# KiCad board FPGA-BOARDver3.kicad_pcb (continued)
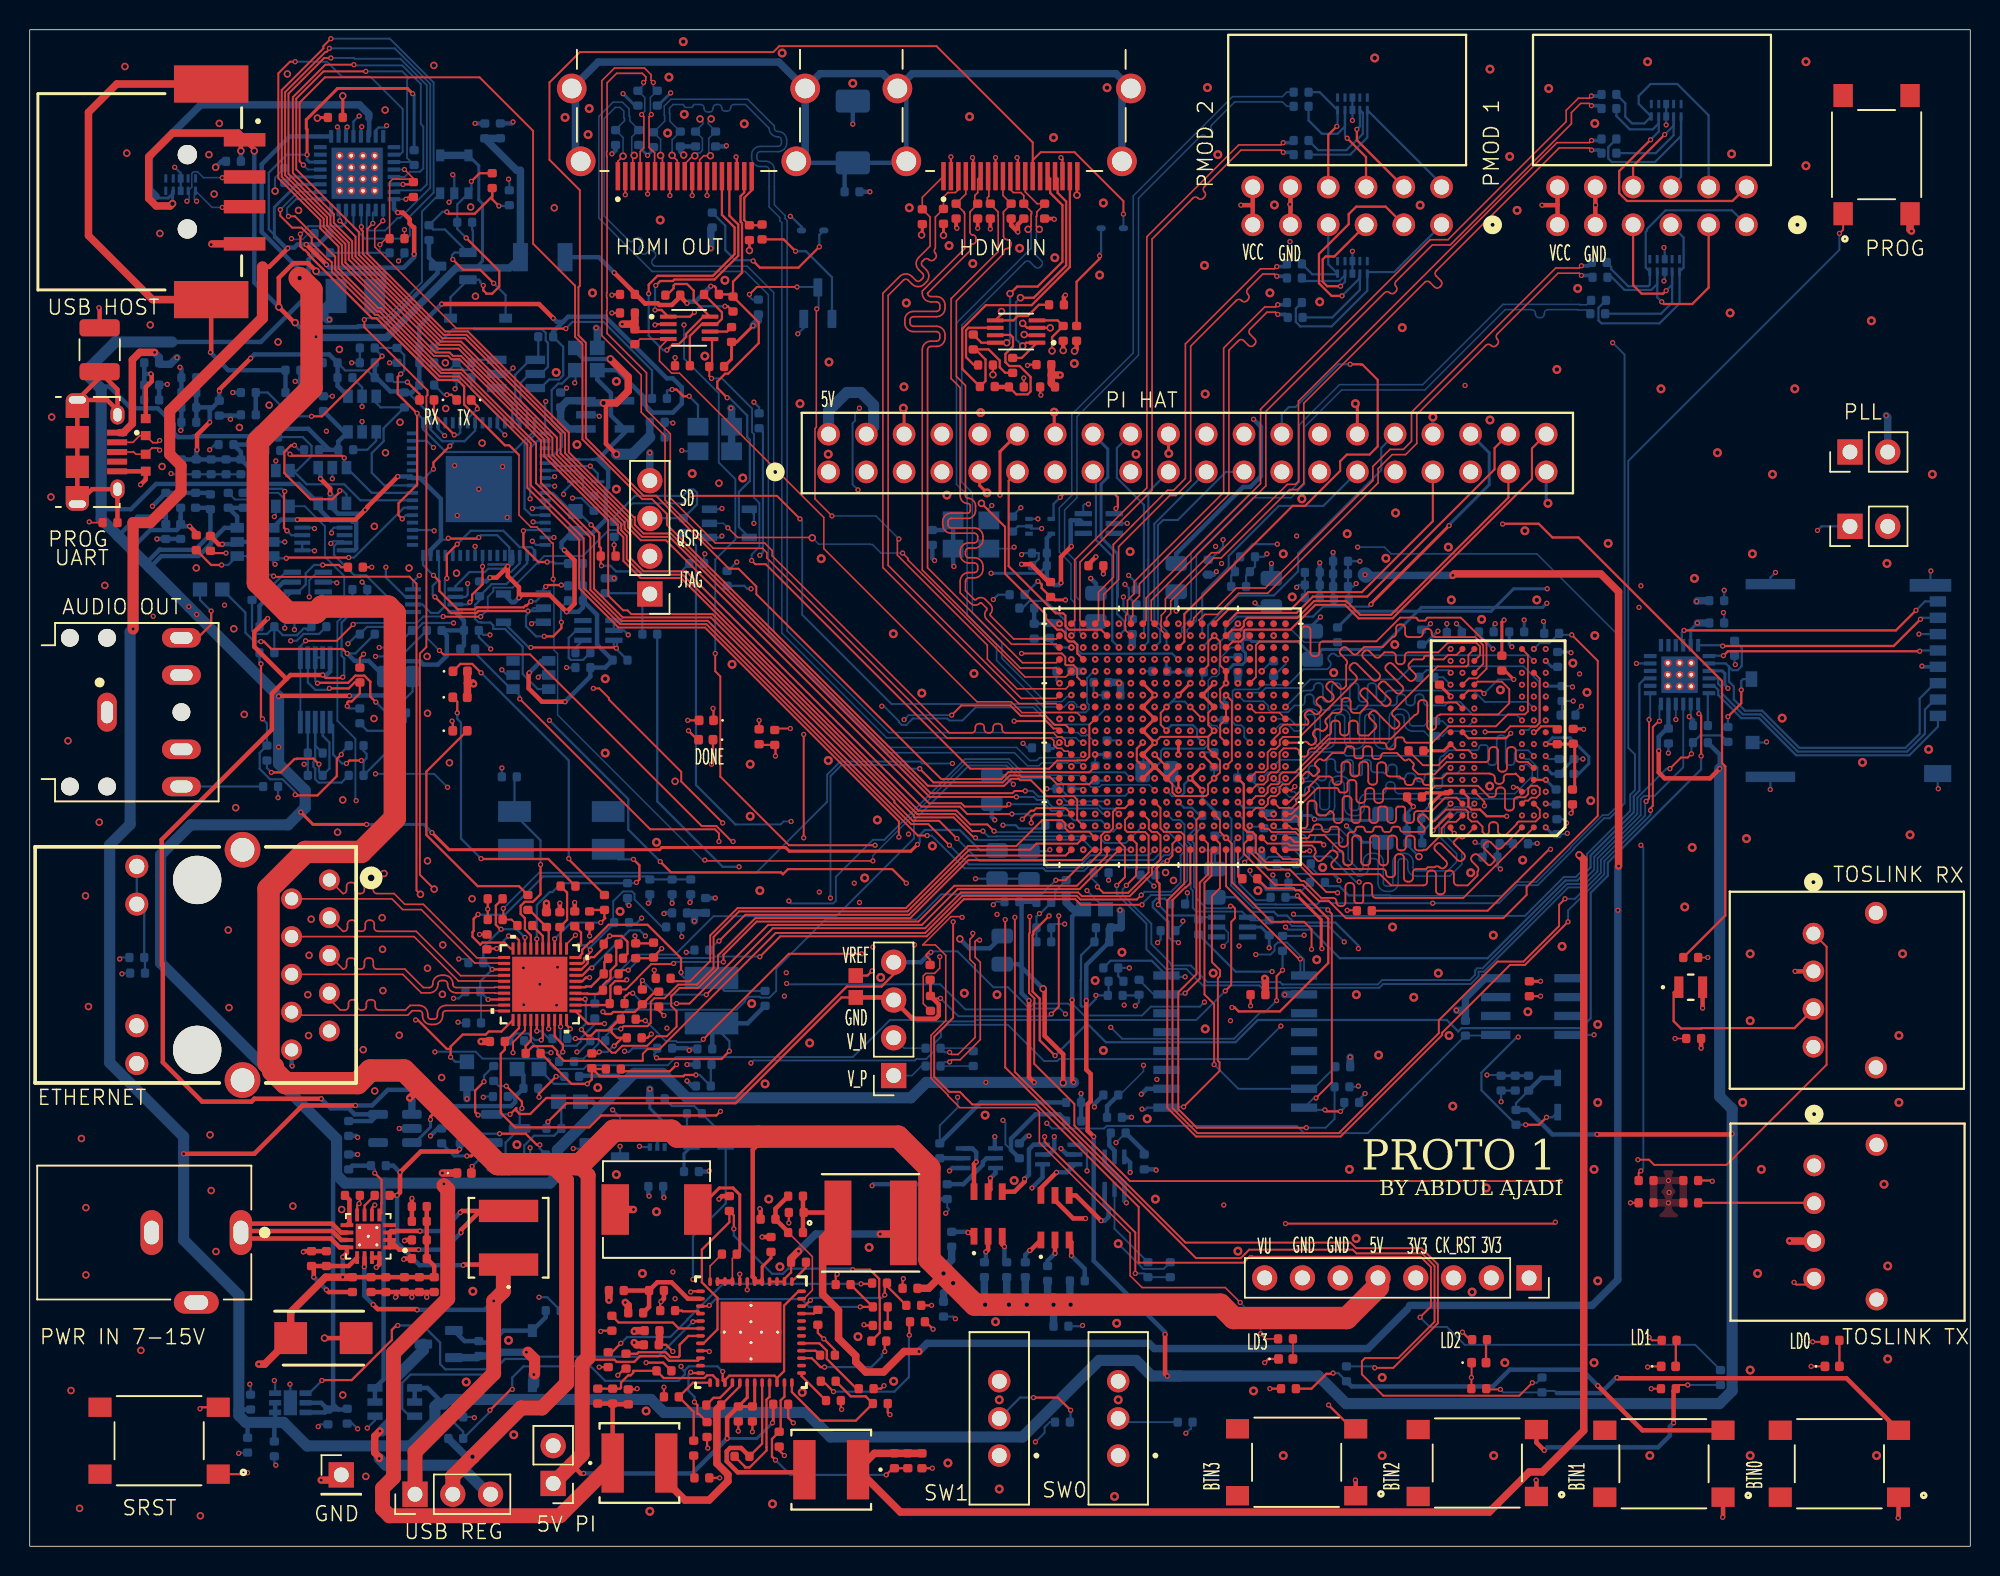
[diagram p0: board, top side]
## Routing (per net, layer and track width the routed paths; a pad name or vN(x,y) marks a point on that pad's centre or on a via; arc(x,y) is an arc through that point) (continued)
DDR3_D1: length 27
  SIGNAL.Cu w0.128: v1(84.45,52.46) 84.62,52.46 84.92,52.77 arc(84.96,52.86) 84.92,52.95 arc(84.89,53.04) 84.92,53.12 85.17,53.37 arc(85.26,53.41) 85.35,53.37 85.51,53.21 arc(85.58,53.18) 85.65,53.21 85.93,53.5 arc(85.96,53.57) 85.93,53.64 arc(85.9,53.71) 85.93,53.78 86.47,54.31 87.12,54.31 arc(87.29,54.38) 87.36,54.55 87.36,54.57 arc(87.43,54.74) 87.6,54.81 87.72,54.81 arc(87.89,54.74) 87.96,54.57 87.96,54.14 arc(88.01,54.02) 88.13,53.96 88.38,53.96 arc(88.51,54.02) 88.56,54.14 88.56,54.57 arc(88.63,54.74) 88.8,54.81 88.92,54.81 arc(89.09,54.74) 89.16,54.57 89.16,54.14 arc(89.21,54.02) 89.33,53.96 89.58,53.96 arc(89.71,54.02) 89.76,54.14 89.76,54.57 arc(89.83,54.74) 90,54.81 90.12,54.81 arc(90.29,54.74) 90.36,54.57 90.36,54.14 arc(90.41,54.02) 90.53,53.96 90.78,53.96 arc(90.91,54.02) 90.96,54.14 90.96,54.57 arc(91.03,54.74) 91.2,54.81 91.32,54.81 arc(91.49,54.74) 91.56,54.57 91.56,53.55 arc(91.63,53.38) 91.8,53.31 91.92,53.31 arc(92.09,53.38) 92.16,53.55 92.16,54.57 arc(92.23,54.74) 92.4,54.81 92.52,54.81 arc(92.69,54.74) 92.76,54.57 92.76,53.55 arc(92.83,53.38) 93,53.31 93.12,53.31 arc(93.29,53.38) 93.36,53.55 93.36,54.07 arc(93.43,54.24) 93.6,54.31 95.57,54.31 arc(95.74,54.38) 95.81,54.55 95.81,54.92 arc(95.88,55.09) 96.05,55.16 96.17,55.16 arc(96.34,55.09) 96.41,54.92 96.41,54.55 arc(96.48,54.38) 96.65,54.31 97.3,54.31 97.85,53.76 97.85,53.05 v1(97.15,52.35)
DDR3_D2: length 28
  Top w0.118: U1.E1 84.69,50.05 85.48,50.84 85.48,51.23 85.63,51.38 arc(85.68,51.5) 85.63,51.63 arc(85.58,51.75) 85.63,51.87 85.8,52.05 arc(85.93,52.1) 86.05,52.05 86.26,51.84 arc(86.35,51.8) 86.44,51.84 86.69,52.08 arc(86.73,52.17) 86.69,52.26 86.48,52.47 arc(86.43,52.6) 86.48,52.72 86.65,52.9 arc(86.78,52.95) 86.9,52.9 arc(87.02,52.85) 87.15,52.9 87.6,53.35 88.25,53.35 arc(88.41,53.42) 88.48,53.57 arc(88.54,53.73) 88.7,53.8 88.85,53.8 arc(89.01,53.73) 89.08,53.57 89.08,53.17 arc(89.13,53.05) 89.25,53 89.5,53 arc(89.62,53.05) 89.67,53.17 89.67,53.57 arc(89.74,53.73) 89.9,53.8 90.05,53.8 arc(90.21,53.73) 90.27,53.57 90.27,53.15 arc(90.33,53.01) 90.48,52.95 90.67,52.95 arc(90.82,53.01) 90.88,53.15 arc(90.93,53.29) 91.08,53.35 91.95,53.35 92.41,52.89 arc(92.52,52.85) 92.62,52.89 arc(92.73,52.93) 92.83,52.89 93.05,52.68 arc(93.09,52.57) 93.05,52.47 arc(93,52.36) 93.05,52.25 93.38,51.92 94.48,51.92 95.3,52.75 97.9,52.75 arc(98.07,52.82) 98.14,52.99 98.14,53.51 arc(98.21,53.68) 98.38,53.75 98.5,53.75 arc(98.67,53.68) 98.74,53.51 98.74,52.34 arc(98.81,52.17) 98.98,52.1 99.1,52.1 arc(99.27,52.17) 99.34,52.34 99.34,53.51 arc(99.41,53.68) 99.58,53.75 99.7,53.75 arc(99.87,53.68) 99.94,53.51 99.94,52.99 arc(100.01,52.82) 100.18,52.75 100.75,52.75 IC1.F2
DDR3_D3: length 24.2
  Bottom w0.118: v1(96.35,52.35) 95.98,51.98 95.24,51.98 arc(95.07,51.91) 95,51.74 95,51.22 arc(94.93,51.05) 94.76,50.98 94.64,50.98 arc(94.47,51.05) 94.4,51.22 94.4,51.74 arc(94.33,51.91) 94.16,51.98 94.04,51.98 arc(93.87,51.91) 93.8,51.74 93.8,51.67 arc(93.73,51.5) 93.56,51.43 93.44,51.43 arc(93.27,51.5) 93.2,51.67 93.2,51.74 arc(93.13,51.91) 92.96,51.98 92.71,51.98 arc(92.59,51.93) 92.53,51.81 arc(92.48,51.68) 92.36,51.63 92.11,51.63 arc(91.99,51.68) 91.93,51.81 91.93,52.34 arc(91.86,52.51) 91.69,52.58 91.57,52.58 arc(91.4,52.51) 91.33,52.34 91.33,52.22 arc(91.26,52.05) 91.09,51.98 91.02,52.05 90.44,52.05 arc(90.27,52.12) 90.2,52.29 90.2,52.66 arc(90.13,52.83) 89.96,52.9 89.84,52.9 arc(89.67,52.83) 89.6,52.66 89.6,51.95 arc(89.57,51.88) 89.5,51.85 89.1,51.85 arc(89.03,51.88) 89,51.95 89,52.66 arc(88.93,52.83) 88.76,52.9 88.64,52.9 arc(88.47,52.83) 88.4,52.66 88.4,52.29 arc(88.33,52.12) 88.16,52.05 88.04,52.05 arc(87.87,52.12) 87.8,52.29 87.8,52.71 arc(87.73,52.88) 87.56,52.95 87.44,52.95 arc(87.27,52.88) 87.2,52.71 87.2,51.74 arc(87.13,51.57) 86.96,51.5 86.84,51.5 arc(86.67,51.57) 86.6,51.74 86.6,52.28 arc(86.53,52.43) 86.38,52.5 86.23,52.5 arc(86.07,52.43) 86,52.28 86,51.85 arc(85.94,51.71) 85.8,51.65 85.6,51.65 arc(85.46,51.71) 85.4,51.85 arc(85.34,51.99) 85.2,52.05 83.25,52.05 v1(82.85,51.65)
DDR3_D4: length 26.3
  SIGNAL2.Cu w0.126: v1(100.35,53.95) 97.1,50.7 91.73,50.7 arc(91.56,50.77) 91.49,50.94 91.49,51.46 arc(91.42,51.63) 91.25,51.7 91.13,51.7 arc(90.96,51.63) 90.89,51.46 90.89,49.94 arc(90.82,49.77) 90.65,49.7 90.53,49.7 arc(90.36,49.77) 90.29,49.94 90.29,51.46 arc(90.22,51.63) 90.05,51.7 89.93,51.7 arc(89.76,51.63) 89.69,51.46 89.69,49.94 arc(89.62,49.77) 89.45,49.7 89.33,49.7 arc(89.16,49.77) 89.09,49.94 89.09,51.06 arc(89.02,51.23) 88.85,51.3 88.73,51.3 arc(88.56,51.23) 88.49,51.06 88.49,50.94 arc(88.42,50.77) 88.25,50.7 87,50.7 v1(84.45,53.25)
DDR3_D5: length 27.5
  SIGNAL.Cu w0.128: v1(96.35,53.95) 95.95,53.55 95.25,53.55 94.55,52.85 91.23,52.85 arc(91.06,52.78) 90.99,52.61 90.99,52.34 arc(90.92,52.17) 90.75,52.1 90.63,52.1 arc(90.46,52.17) 90.39,52.34 90.39,53.61 arc(90.32,53.78) 90.15,53.85 90.03,53.85 arc(89.86,53.78) 89.79,53.61 89.79,52.19 arc(89.72,52.02) 89.55,51.95 89.43,51.95 arc(89.26,52.02) 89.19,52.19 89.19,53.61 arc(89.12,53.78) 88.95,53.85 88.83,53.85 arc(88.66,53.78) 88.59,53.61 88.59,52.19 arc(88.52,52.02) 88.35,51.95 88.23,51.95 arc(88.06,52.02) 87.99,52.19 87.99,53.61 arc(87.92,53.78) 87.75,53.85 87.63,53.85 arc(87.46,53.78) 87.39,53.61 87.39,52.19 arc(87.32,52.02) 87.15,51.95 87.03,51.95 arc(86.86,52.02) 86.79,52.19 86.79,53.61 arc(86.72,53.78) 86.55,53.85 86.43,53.85 arc(86.26,53.78) 86.19,53.61 86.19,53.09 arc(86.12,52.92) 85.95,52.85 85.19,52.09 83.21,52.09 v1(82.85,52.45)
DDR3_D6: length 25.7
  Bottom w0.118: v1(83.65,52.45) 84.09,52.89 85.62,52.89 86.15,53.42 88.27,53.42 88.54,53.16 93.98,53.16 arc(94.14,53.09) 94.22,52.92 94.22,52.4 arc(94.29,52.23) 94.46,52.16 94.58,52.16 arc(94.74,52.23) 94.82,52.4 94.82,52.92 arc(94.89,53.09) 95.06,53.16 95.43,53.54 97.28,53.54 arc(97.41,53.59) 97.46,53.71 arc(97.51,53.84) 97.63,53.89 97.88,53.89 arc(98.01,53.84) 98.06,53.71 98.06,52.78 arc(98.13,52.61) 98.3,52.54 98.42,52.54 arc(98.59,52.61) 98.66,52.78 98.66,54.3 arc(98.73,54.47) 98.9,54.54 99.02,54.54 arc(99.19,54.47) 99.26,54.3 99.26,52.78 arc(99.33,52.61) 99.5,52.54 99.62,52.54 arc(99.79,52.61) 99.86,52.78 99.86,53.3 arc(99.93,53.47) 100.1,53.54 100.76,53.54 v1(101.15,53.15)
DDR3_D7: length 26.5
  SIGNAL2.Cu w0.126: v1(82.85,53.25) 83.25,53.65 84.02,53.65 84.21,53.84 84.69,53.84 84.98,53.56 arc(85.15,53.49) 85.32,53.56 85.68,53.93 arc(85.85,54) 86.02,53.93 86.11,53.84 arc(86.18,53.67) 86.11,53.5 85.74,53.13 arc(85.67,52.96) 85.74,52.79 86.13,52.4 86.78,52.4 arc(86.95,52.47) 87.02,52.64 87.02,53.16 arc(87.09,53.33) 87.26,53.4 87.38,53.4 arc(87.55,53.33) 87.62,53.16 87.62,51.74 arc(87.69,51.57) 87.86,51.5 87.98,51.5 arc(88.15,51.57) 88.22,51.74 88.22,53.16 arc(88.29,53.33) 88.46,53.4 88.58,53.4 arc(88.75,53.33) 88.82,53.16 88.82,51.74 arc(88.89,51.57) 89.06,51.5 89.18,51.5 arc(89.35,51.57) 89.42,51.74 89.42,53.16 arc(89.49,53.33) 89.66,53.4 89.78,53.4 arc(89.95,53.33) 90.02,53.16 90.02,52.3 arc(90.05,52.23) 90.12,52.2 90.52,52.2 arc(90.59,52.23) 90.62,52.3 arc(90.65,52.37) 90.72,52.4 92.2,52.4 92.25,52.35 92.65,52.75 96.46,52.75 96.75,53.04 96.75,53.35 97.15,53.75 v1(97.15,53.95)
DDR3_D8: length 26.6
  Top w0.118: v1(97.83,49.8) 97.83,50.07 IC1.D7
  SIGNAL.Cu w0.128: v1(82.85,50.05) 84.14,50.05 arc(84.31,50.12) 84.38,50.29 84.38,50.56 arc(84.45,50.73) 84.62,50.8 84.74,50.8 arc(84.91,50.73) 84.98,50.56 84.98,50.29 arc(85.05,50.12) 85.22,50.05 85.76,50.05 86.59,49.22 arc(86.76,49.3) 86.83,49.46 86.83,49.53 arc(86.9,49.7) 87.07,49.77 87.19,49.77 arc(87.36,49.7) 87.43,49.53 87.43,48.46 arc(87.5,48.3) 87.67,48.22 87.79,48.22 arc(87.96,48.3) 88.03,48.46 88.03,49.53 arc(88.1,49.7) 88.27,49.77 88.39,49.77 arc(88.56,49.7) 88.63,49.53 88.63,48.96 arc(88.7,48.8) 88.87,48.72 88.99,48.72 arc(89.16,48.8) 89.23,48.96 89.23,49.53 arc(89.3,49.7) 89.47,49.77 89.59,49.77 arc(89.76,49.7) 89.83,49.53 89.83,48.46 arc(89.9,48.3) 90.07,48.22 90.19,48.22 arc(90.36,48.3) 90.43,48.46 90.43,49.53 arc(90.5,49.7) 90.67,49.77 90.79,49.77 arc(90.96,49.7) 91.03,49.53 91.03,49.46 arc(91.1,49.3) 91.27,49.22 93.78,49.22 arc(93.95,49.15) 94.02,48.98 94.02,48.77 arc(94.09,48.6) 94.26,48.52 94.38,48.52 arc(94.55,48.6) 94.62,48.77 94.62,48.98 arc(94.69,49.15) 94.86,49.22 95.11,49.22 95.44,49.55 97.6,49.55 97.83,49.77 v1(97.83,49.8)
DDR3_D9: length 27.8
  Top w0.118: IC1.C3 100.55,50.15 100.77,50.15 100.98,50.35 101.33,50.35 101.55,50.57 101.55,50.97 101.38,51.15 100.95,51.15 100.77,50.97 100.77,50.59 100.56,50.38 100.06,50.38 100.05,50.39 arc(99.88,50.32) 99.81,50.15 99.81,49.73 arc(99.74,49.56) 99.57,49.49 99.45,49.49 arc(99.28,49.56) 99.21,49.73 99.21,50.8 arc(99.14,50.97) 98.97,51.04 98.85,51.04 arc(98.68,50.97) 98.61,50.8 98.61,50.63 arc(98.54,50.46) 98.37,50.39 98.16,50.39 97.4,51.15 94.51,51.15 94.33,50.97 91.29,50.97 91.26,51 arc(91.09,50.93) 91.02,50.76 91.02,50.24 arc(90.95,50.07) 90.78,50 90.66,50 arc(90.49,50.07) 90.42,50.24 90.42,50.76 arc(90.35,50.93) 90.18,51 90.06,51 arc(89.89,50.93) 89.82,50.76 89.82,50.24 arc(89.75,50.07) 89.58,50 89.46,50 arc(89.29,50.07) 89.22,50.24 89.22,51.31 arc(89.15,51.48) 88.98,51.55 88.86,51.55 arc(88.69,51.48) 88.62,51.31 88.62,50.85 arc(88.57,50.74) 88.47,50.7 88.17,50.7 arc(88.06,50.74) 88.02,50.85 arc(87.97,50.96) 87.87,51 86.6,51 84.85,49.25 U1.D1
DDR3_D10: length 27.5
  Top w0.118: IC1.C8 95.95,50.35 95.19,50.35 94.29,49.45 93.33,49.45 arc(93.16,49.38) 93.09,49.21 93.09,48.89 arc(93.02,48.72) 92.85,48.65 92.73,48.65 arc(92.56,48.72) 92.49,48.89 92.49,49.6 arc(92.45,49.71) 92.34,49.75 92.04,49.75 arc(91.93,49.71) 91.89,49.6 91.89,48.89 arc(91.82,48.72) 91.65,48.65 91.53,48.65 arc(91.36,48.72) 91.29,48.89 91.29,49.6 arc(91.25,49.71) 91.14,49.75 90.84,49.75 arc(90.73,49.71) 90.69,49.6 90.69,48.89 arc(90.62,48.72) 90.45,48.65 90.33,48.65 arc(90.16,48.72) 90.09,48.89 90.09,49.6 arc(90.05,49.71) 89.94,49.75 89.64,49.75 arc(89.53,49.71) 89.49,49.6 89.49,48.89 arc(89.42,48.72) 89.25,48.65 89.13,48.65 arc(88.96,48.72) 88.89,48.89 88.89,50.21 arc(88.82,50.38) 88.65,50.45 88.53,50.45 arc(88.36,50.38) 88.29,50.21 88.29,48.89 arc(88.22,48.72) 88.05,48.65 87.93,48.65 arc(87.76,48.72) 87.69,48.89 87.69,49.21 arc(87.62,49.38) 87.45,49.45 87.15,49.15 86.77,49.15 arc(86.6,49.22) 86.53,49.39 86.53,49.91 arc(86.46,50.08) 86.29,50.15 86.17,50.15 arc(86,50.08) 85.93,49.91 85.93,48.54 arc(85.86,48.37) 85.69,48.3 85.57,48.3 arc(85.4,48.37) 85.33,48.54 85.33,48.91 arc(85.26,49.08) 85.09,49.15 84.8,48.86 84.29,48.86 84.28,48.88 84.26,48.86 83.24,48.86 U1.D3
DDR3_D11: length 27.4
  Top w0.118: IC1.C2 101.55,49.55 101.55,49.02 101.27,48.75 100.15,48.75 100.12,48.71 100.09,48.71 100,48.62 100,48.57 99.27,47.85 98.98,47.85 arc(98.81,47.92) 98.74,48.09 98.74,48.46 arc(98.67,48.63) 98.5,48.7 98.38,48.7 arc(98.21,48.63) 98.14,48.46 98.14,48.09 arc(98.07,47.92) 97.9,47.85 97.7,48.05 97.7,48.4 97.35,48.75 96.95,48.75 96.73,48.97 96.73,49.4 96.58,49.55 95.25,49.55 94.51,48.81 arc(94.34,48.74) 94.17,48.81 93.84,49.15 arc(93.67,49.22) 93.5,49.15 93.42,49.06 arc(93.35,48.89) 93.42,48.72 93.75,48.39 arc(93.82,48.22) 93.75,48.05 92.34,48.05 arc(92.22,48.1) 92.17,48.22 arc(92.12,48.35) 91.99,48.4 91.74,48.4 arc(91.62,48.35) 91.57,48.22 arc(91.52,48.1) 91.39,48.05 91.14,48.05 arc(91.02,48.1) 90.97,48.22 arc(90.92,48.35) 90.79,48.4 90.54,48.4 arc(90.42,48.35) 90.37,48.22 arc(90.32,48.1) 90.19,48.05 89.94,48.05 arc(89.82,48.1) 89.77,48.22 arc(89.72,48.35) 89.59,48.4 89.34,48.4 arc(89.22,48.35) 89.17,48.22 arc(89.12,48.1) 88.99,48.05 88.87,48.05 arc(88.7,47.98) 88.63,47.81 88.63,47.29 arc(88.56,47.12) 88.39,47.05 88.27,47.05 arc(88.1,47.12) 88.03,47.29 88.03,48.22 arc(87.98,48.35) 87.86,48.4 87.61,48.4 arc(87.48,48.35) 87.43,48.22 arc(87.38,48.1) 87.26,48.05 87.14,48.05 arc(86.97,48.12) 86.9,48.29 86.9,48.31 arc(86.83,48.48) 86.66,48.55 86.54,48.55 arc(86.37,48.48) 86.3,48.31 86.3,48.29 arc(86.23,48.12) 86.06,48.05 85.41,48.05 85.2,48.26 84.89,48.26 84.7,48.45 U1.C1
DDR3_D12: length 27.1
  Top w0.118: U1.B3 83.24,47.26 84.63,47.26 84.76,47.13 86.22,47.13 86.43,46.92 86.43,46.84 arc(86.49,46.7) 86.43,46.56 arc(86.38,46.42) 86.43,46.28 86.58,46.13 arc(86.72,46.08) 86.86,46.13 87.47,46.74 arc(87.64,46.81) 87.81,46.74 87.89,46.66 arc(87.96,46.49) 87.89,46.32 87.59,46.02 arc(87.52,45.85) 87.59,45.68 87.73,45.55 90.98,45.55 arc(91.14,45.48) 91.21,45.31 91.21,45.24 arc(91.29,45.07) 91.45,45 91.58,45 arc(91.74,45.07) 91.82,45.24 91.82,46.31 arc(91.89,46.48) 92.05,46.55 92.17,46.55 arc(92.34,46.48) 92.42,46.31 92.42,44.94 arc(92.49,44.77) 92.66,44.7 92.77,44.7 arc(92.94,44.77) 93.02,44.94 93.02,45.31 arc(93.09,45.48) 93.26,45.55 93.9,45.55 94.02,45.67 94.47,45.67 arc(94.64,45.74) 94.81,45.67 94.82,45.66 arc(94.99,45.59) 95.16,45.66 95.25,45.74 arc(95.32,45.91) 95.25,46.08 94.53,46.8 arc(94.46,46.97) 94.53,47.14 94.61,47.23 arc(94.78,47.3) 94.95,47.23 96.03,46.15 arc(96.19,46.08) 96.36,46.15 96.45,46.24 arc(96.52,46.41) 96.45,46.57 95.81,47.22 arc(95.76,47.32) 95.81,47.43 96.02,47.64 arc(96.12,47.69) 96.23,47.64 arc(96.34,47.6) 96.44,47.64 IC1.A7
DDR3_D13: length 27.3
  Top w0.118: U1.A4 82.05,46.73 83.27,45.51 84.75,45.51 85.51,44.75 85.7,44.75 86.84,43.61 87.64,43.61 arc(87.81,43.54) 87.88,43.37 87.88,43.3 arc(87.95,43.13) 88.12,43.06 88.24,43.06 arc(88.41,43.13) 88.48,43.3 88.48,44.37 arc(88.55,44.54) 88.72,44.61 88.84,44.61 arc(89.01,44.54) 89.08,44.37 89.08,43.43 arc(89.13,43.31) 89.25,43.26 89.5,43.26 arc(89.63,43.31) 89.68,43.43 89.68,44.37 arc(89.75,44.54) 89.92,44.61 90.04,44.61 arc(90.21,44.54) 90.28,44.37 90.28,43.85 arc(90.35,43.68) 90.52,43.61 96.41,43.61 IC1.A2
DDR3_D14: length 27.8
  Top w0.118: IC1.B8 95.92,48.72 95.38,48.72 94.95,48.29 94.95,47.87 94.85,47.78 93.92,46.85 93.73,46.85 93.67,46.8 93.38,46.8 arc(93.21,46.87) 93.14,47.04 93.14,47.56 arc(93.07,47.73) 92.9,47.8 92.78,47.8 arc(92.61,47.73) 92.54,47.56 92.54,47.04 arc(92.47,46.87) 92.3,46.8 92.18,46.8 arc(92.01,46.87) 91.94,47.04 91.94,47.56 arc(91.87,47.73) 91.7,47.8 91.58,47.8 arc(91.41,47.73) 91.34,47.56 91.34,46.04 arc(91.27,45.87) 91.1,45.8 90.98,45.8 arc(90.81,45.87) 90.74,46.04 90.74,47.56 arc(90.67,47.73) 90.5,47.8 90.38,47.8 arc(90.21,47.73) 90.14,47.56 90.14,46.04 arc(90.07,45.87) 89.9,45.8 89.78,45.8 arc(89.61,45.87) 89.54,46.04 89.54,47.56 arc(89.47,47.73) 89.3,47.8 89.18,47.8 arc(89.01,47.73) 88.94,47.56 88.94,46.04 arc(88.87,45.87) 88.7,45.8 88.58,45.8 arc(88.41,45.87) 88.34,46.04 88.34,46.56 arc(88.27,46.73) 88.1,46.8 87.08,47.82 86.13,47.82 arc(86.05,47.8) 86.02,47.72 arc(86,47.65) 85.92,47.62 85.52,47.62 arc(85.45,47.65) 85.42,47.72 arc(85.4,47.8) 85.33,47.82 85.11,48.04 83.51,48.04 83.3,48.25 83.05,48.25 U1.C3
DDR3_D15: length 27.7
  Top w0.118: U1.A2 84.28,46.22 85.29,46.22 86.31,45.2 90.8,45.2 91.55,44.45 93.73,44.45 arc(93.9,44.52) 93.97,44.69 93.97,45.21 arc(94.04,45.38) 94.21,45.45 94.33,45.45 arc(94.5,45.38) 94.57,45.21 94.57,44.09 arc(94.64,43.92) 94.81,43.85 94.93,43.85 arc(95.1,43.92) 95.17,44.09 95.17,45.21 arc(95.24,45.38) 95.41,45.45 95.53,45.45 arc(95.7,45.38) 95.77,45.21 95.77,44.69 arc(95.84,44.52) 96.01,44.45 96.7,44.45 97.36,45.11 97.36,45.36 arc(97.43,45.53) 97.36,45.7 96.99,46.07 arc(96.92,46.24) 96.99,46.41 97.08,46.49 arc(97.25,46.56) 97.42,46.49 98.06,45.85 arc(98.17,45.8) 98.27,45.85 98.48,46.06 arc(98.53,46.17) 98.48,46.27 97.84,46.91 arc(97.77,47.08) 97.84,47.25 97.92,47.34 arc(98.09,47.41) 98.26,47.34 98.63,46.97 arc(98.8,46.9) 98.97,46.97 IC1.A3
DDR3_DM0: length 28.3
  Top w0.118: v1(85.08,51.1) 84.83,50.85 U1.F1
  SIGNAL.Cu w0.118: 85.24,50.94 v1(85.08,51.1)
  SIGNAL.Cu w0.128: v1(97.15,51.55) 96.52,50.92 95.6,50.92 arc(95.43,50.85) 95.36,50.68 95.36,50.41 arc(95.29,50.24) 95.12,50.17 95,50.17 arc(94.83,50.24) 94.76,50.41 94.76,50.68 arc(94.69,50.85) 94.52,50.92 94.4,50.92 arc(94.23,50.85) 94.16,50.68 94.16,50.46 arc(94.09,50.29) 93.92,50.22 93.8,50.22 arc(93.63,50.29) 93.56,50.46 93.56,50.68 arc(93.49,50.85) 93.32,50.92 92.7,50.92 92.49,50.7 92.07,50.7 arc(91.9,50.63) 91.83,50.46 91.83,50.19 arc(91.76,50.02) 91.59,49.95 91.47,49.95 arc(91.3,50.02) 91.23,50.19 91.23,51.21 arc(91.16,51.38) 90.99,51.45 90.87,51.45 arc(90.7,51.38) 90.63,51.21 90.63,50.19 arc(90.56,50.02) 90.39,49.95 90.27,49.95 arc(90.1,50.02) 90.03,50.19 90.03,51.21 arc(89.96,51.38) 89.79,51.45 89.67,51.45 arc(89.5,51.38) 89.43,51.21 89.43,50.19 arc(89.36,50.02) 89.19,49.95 89.07,49.95 arc(88.9,50.02) 88.83,50.19 88.83,51.21 arc(88.76,51.38) 88.59,51.45 88.47,51.45 arc(88.3,51.38) 88.23,51.21 88.23,50.19 arc(88.16,50.02) 87.99,49.95 87.87,49.95 arc(87.7,50.02) 87.63,50.19 87.63,51.21 arc(87.56,51.38) 87.39,51.45 87.27,51.45 arc(87.1,51.38) 87.03,51.21 87.03,50.19 arc(86.96,50.02) 86.79,49.95 86.67,49.95 arc(86.5,50.02) 86.43,50.19 86.43,51.21 arc(86.36,51.38) 86.19,51.45 86.07,51.45 arc(85.9,51.38) 85.83,51.21 85.83,50.94 arc(85.76,50.77) 85.59,50.7 85.48,50.7 85.15,51.02 85.15,51.05
DDR3_DM1: length 26.4
  Top w0.118: v1(86.08,46.77) 85.83,46.77 85.75,46.7 85.6,46.7 85.45,46.85 U1.A1
  Top w0.128: v1(99.77,51.05) 100.05,51.05 IC1.D3
  SIGNAL.Cu w0.128: v1(99.77,51.05) 99.2,51.05 98.8,50.65 98.8,50.11 95.49,46.8 90.22,46.8 arc(90.05,46.73) 89.98,46.56 89.98,46.04 arc(89.91,45.87) 89.74,45.8 89.62,45.8 arc(89.45,45.87) 89.38,46.04 89.38,47.56 arc(89.31,47.73) 89.14,47.8 89.02,47.8 arc(88.85,47.73) 88.78,47.56 88.78,46.04 arc(88.71,45.87) 88.54,45.8 88.42,45.8 arc(88.25,45.87) 88.18,46.04 88.18,47.56 arc(88.11,47.73) 87.94,47.8 87.82,47.8 arc(87.65,47.73) 87.58,47.56 87.58,46.34 arc(87.51,46.17) 87.34,46.1 87.22,46.1 arc(87.05,46.17) 86.98,46.34 86.98,46.56 arc(86.91,46.73) 86.74,46.8 86.61,46.8 86.58,46.77 v1(86.08,46.77)
DDR3_DQS0_N: length 27.6
  Bottom w0.104: v1(100.35,53.18) 100.59,52.94 100.85,52.94 101.4,52.39 101.4,51.65 100.02,50.27 97.34,50.27 97.31,50.3 95.4,50.3 95.37,50.27 90.87,50.27 89.98,50.27 arc(89.82,50.2) 89.76,50.04 89.76,49.72 arc(89.59,49.31) 89.18,49.14 88.98,49.14 arc(88.57,49.31) 88.4,49.72 88.4,51.22 arc(88.34,51.38) 88.18,51.44 87.98,51.44 arc(87.82,51.38) 87.76,51.22 87.76,49.77 arc(87.59,49.36) 87.18,49.19 86.98,49.19 arc(86.57,49.36) 86.4,49.77 86.4,50.87 arc(86.34,51.03) 86.18,51.09 85.98,51.09 arc(85.82,51.03) 85.76,50.87 85.76,50.84 arc(85.59,50.44) 85.18,50.27 85.03,50.27 84.91,50.39 84.71,50.39 84.04,51.06 83.88,51.06 v1(83.66,50.84)
DDR3_DQS0_P: length 27.6
  Bottom w0.104: v1(100.35,52.34) 100.59,52.59 100.7,52.59 101.05,52.24 101.05,51.8 99.87,50.62 92.05,50.62 arc(91.88,50.69) 91.81,50.86 91.81,51.17 arc(91.74,51.34) 91.57,51.41 91.45,51.41 arc(91.28,51.34) 91.21,51.17 91.21,50.86 arc(91.14,50.69) 90.97,50.62 89.98,50.62 arc(89.57,50.45) 89.4,50.04 89.4,49.72 arc(89.34,49.56) 89.18,49.49 88.98,49.49 arc(88.82,49.56) 88.76,49.72 88.76,51.22 arc(88.59,51.63) 88.18,51.8 87.98,51.8 arc(87.57,51.63) 87.4,51.22 87.4,49.77 arc(87.34,49.61) 87.18,49.54 86.98,49.54 arc(86.82,49.61) 86.76,49.77 86.76,50.87 arc(86.59,51.28) 86.18,51.45 85.98,51.45 arc(85.57,51.28) 85.4,50.87 85.4,50.84 arc(85.34,50.69) 85.18,50.62 85.05,50.75 84.85,50.75 84.18,51.42 83.88,51.42 v1(83.65,51.64)
DDR3_DQS1_N: length 27.7
  Bottom w0.104: v1(83.65,47.64) 83.91,47.9 85.55,47.9 85.58,47.87 arc(85.75,47.8) 85.82,47.63 85.82,47.62 arc(85.89,47.45) 86.06,47.38 86.18,47.38 arc(86.35,47.45) 86.42,47.62 86.42,47.63 arc(86.49,47.8) 86.66,47.87 87.98,47.87 88.31,47.54 arc(88.24,47.37) 88.07,47.3 87.86,47.3 arc(87.69,47.23) 87.62,47.06 87.62,46.94 arc(87.69,46.77) 87.86,46.7 88.07,46.7 arc(88.24,46.63) 88.31,46.46 88.31,46.07 89.3,45.07 89.45,45.07 arc(89.86,45.24) 90.03,45.65 90.03,46.03 arc(90.09,46.18) 90.25,46.25 90.45,46.25 arc(90.61,46.18) 90.67,46.03 90.67,44.62 arc(90.84,44.21) 91.25,44.05 91.45,44.05 arc(91.86,44.21) 92.03,44.62 92.03,46.03 arc(92.09,46.18) 92.25,46.25 92.45,46.25 arc(92.61,46.18) 92.67,46.03 92.67,45.65 arc(92.84,45.24) 93.25,45.07 95.5,45.07 96.31,45.88 96.31,46.73 95.13,47.9 95.13,48.53 95.98,49.38 96.27,49.38 96.94,49.38 v1(97.16,49.15)
DDR3_DQS1_P: length 26.1
  Bottom w0.104: v1(97.16,49.95) 96.94,49.73 96.41,49.73 95.83,49.73 94.78,48.68 94.78,47.76 95.96,46.58 95.96,46.03 95.35,45.43 93.25,45.43 arc(93.09,45.49) 93.03,45.65 93.03,46.03 arc(92.86,46.44) 92.45,46.6 92.25,46.6 arc(91.84,46.44) 91.67,46.03 91.67,44.62 arc(91.61,44.47) 91.45,44.4 91.25,44.4 arc(91.09,44.47) 91.03,44.62 91.03,46.03 arc(90.86,46.44) 90.45,46.6 90.25,46.6 arc(89.84,46.44) 89.67,46.03 89.67,45.65 arc(89.61,45.49) 89.45,45.43 88.66,46.21 88.66,47.69 88.13,48.22 85.73,48.22 85.7,48.26 84.1,48.26 84.07,48.22 83.88,48.22 v1(83.65,48.45)
DDR3_ODT0: length 26.7
  SIGNAL2.Cu w0.126: v1(101.95,55.55) 101.61,55.89 101.61,57.21 101.26,57.55 99.6,57.55 98.84,58.31 95.48,58.31 94.54,59.25 90.52,59.25 arc(90.38,59.31) 90.32,59.45 arc(90.26,59.59) 90.12,59.65 89.92,59.65 arc(89.78,59.59) 89.72,59.45 89.72,58.49 arc(89.65,58.32) 89.48,58.25 89.36,58.25 arc(89.19,58.32) 89.12,58.49 89.12,59.01 arc(89.05,59.18) 88.88,59.25 87.53,59.25 86.75,58.47 82.76,58.47 81.69,57.4 81.69,56.89 v1(81.25,56.45)
DDR3_RAS: length 24.9
  Bottom w0.118: v1(100.35,54.75) 100.5,54.9 100.79,54.9 101,55.11 101.25,55.11 101.51,55.37 101.51,58.13 100.45,59.19 100.45,59.19 92.94,59.19 92.05,58.3 86.11,58.3 85.54,57.73 83.12,57.73 82.8,57.41 82.21,57.41 v1(82.05,57.25)
DDR3_RESET: length 45.9
  Top w0.127: v1(103.7,61.3) 105.45,59.55 105.45,49.12 100.66,44.34 100.66,43.81 99.11,42.25 88.51,42.25 87.37,43.39 86.71,43.39 85.61,44.49 83.75,44.49 81.66,46.58 81.66,47.26 U1.B4
  Bottom w0.127: v1(101.15,60.35) 101.53,60.73 102.18,60.73 R96.1 102.95,61.3 v1(103.7,61.3)
DDR3_VREF: length 83.1
  Top w0.127: v1(97.8,57.35) 97.6,57.55 96.75,57.55 IC1.M8 ; v1(80.45,52.45) 80.84,52.84 80.84,56.86 U1.P6
  Top w0.15: v1(101.95,53.95) C5.1
  Top w0.2: C35.1 99.2,58.9 v1(99.8,58.3) ; C5.1 103.83,53.95 103.9,53.88 103.9,51.05 R20.1
  SIGNAL.Cu w0.127: v1(80.45,57.22) 80.89,57.66 83.85,57.66 88.62,62.43 96.22,62.43 97.67,60.98 103.29,60.98 104.61,59.65 104.61,59.06 v1(104.23,58.67)
  SIGNAL2.Cu w0.127: v1(99.8,58.3) 99.81,58.31
  SIGNAL2.Cu w0.15: v1(80.45,52.45) 80.08,52.82 80.08,53.42 80.27,53.62 82.26,53.62 82.48,53.41 82.48,52.29 82.69,52.07 85.29,52.07 88.19,49.17 95.86,49.17 97.01,50.33 97.32,50.33 97.44,50.2 99.77,50.2 101.57,51.99 101.57,53.57 v1(101.95,53.95) ; v1(99.8,58.3) 99.83,58.32 103.83,58.32 103.84,58.31 103.86,58.31 v1(104.23,58.67)
  Bottom w0.127: v1(97.8,57.35) 98.75,58.3 v1(99.8,58.3)
  Bottom w0.2: v1(101.95,53.95) 101.98,53.95 102.4,54.38 103.59,54.38 104.85,53.12 104.85,52.64 104.16,51.95 R17.2 ; v1(80.45,57.22) 80.33,57.1 C4.1
DDR3_WE: length 26.4
  SIGNAL2.Cu w0.126: v1(81.25,55.65) 81.68,56.08 84.57,56.08 84.74,56.15 85.01,56.42 87.16,56.42 arc(87.33,56.5) 87.4,56.66 87.4,57.03 arc(87.47,57.2) 87.64,57.27 87.76,57.27 arc(87.93,57.2) 88,57.03 88,55.71 arc(88.07,55.55) 88.24,55.47 88.36,55.47 arc(88.53,55.55) 88.6,55.71 88.6,56.73 arc(88.67,56.9) 88.84,56.97 88.96,56.97 arc(89.13,56.9) 89.2,56.73 89.2,55.71 arc(89.27,55.55) 89.44,55.47 89.56,55.47 arc(89.73,55.55) 89.8,55.71 89.8,56.18 arc(89.87,56.35) 90.04,56.42 91.25,56.42 91.27,56.4 94.2,56.4 94.2,56.39 95.41,55.17 95.69,55.17 95.98,55.46 95.98,55.69 97,56.71 99.99,56.71 v1(100.35,56.35)
EN_1: length 41
  Top w0.15: U22.13 44.5,17.15 v1(44.45,17.1) ; 50.25,11.3 50.73,11.78 50.73,16.18 51.69,17.15 U22.48 ; 50.25,11.3 50.08,11.47 47.05,11.47 46.75,11.18 U22.27 46.6,11.15 v1(46.6,11.75) ; 50.25,11.3 U22.34 ; v1(30.95,9.15) 32.35,10.55 v1(32.45,10.55)
  SIGNAL2.Cu w0.127: v1(43.8,12.1) 43.8,16.45 v1(44.45,17.1)
  Bottom w0.15: v1(30.95,9.15) 30.95,9.05 R85.2 29.15,7.7 R86.1 ; v1(46.6,11.75) 46.25,12.1 44.32,12.1 44.05,11.83 44.05,11.75 ; v1(43.8,12.1) 43.8,12 44.05,11.75 ; v1(32.45,10.55) 32.45,11.35 33.2,12.1 37.72,12.1 38.69,11.12 43.62,11.12 44.05,11.55 44.05,11.75
ETH_AVDD3V3: length 44.4
  Top w0.15: v1(28.3,32.9) 28.3,33.45 ; 28.3,33.45 28.3,33.6 29.12,34.41 30.67,34.41 30.88,34.62 31.73,34.62 U12.11 ; 28.3,33.45 28.05,33.45 26.1,35.4 v1(25.95,35.4) ; v1(30.15,42.5) 29.85,42.2 29.85,41.38 29.78,41.31 29.78,40.99 30.31,40.46 30.45,40.6 31.93,40.6 32.33,40.2 U12.40
  SIGNAL.Cu w0.15: v1(30.15,42.5) 28.03,44.62 26.45,44.62 25.85,44.03 25.85,35.5 v1(25.95,35.4)
  Bottom w0.15: v1(30.15,42.5) 30.17,42.47 31.96,42.47 34.54,45.05 41.5,45.05 C71.1 C70.1 C69.1 ; v1(28.3,32.9) 28.62,32.58 FL3.2
ETH_INT_B: length 47.9
  Top w0.1: U12.31 36.1,40.5 v1(36.7,41.1)
  SIGNAL.Cu w0.1: v1(78.05,50.05) 77.7,49.7 77.14,49.7 76.79,49.35 76.79,49.13 76.46,48.8 76.31,48.8 74.41,46.9 74.41,46.71 74.2,46.51 73.51,46.51 72.1,45.1 72.1,44.54 72.15,44.49 72.15,43.75 72.09,43.75 69.84,41.5 65.76,41.5 65.36,41.9 62.45,41.9 62.45,41.86 62.24,41.65 61.96,41.65 61.71,41.9 45.04,41.9 44.74,41.6 37.2,41.6 v1(36.7,41.1)
ETH_LD0: length 18.8
  Top w0.15: D32.1 28.75,56.8 v1(28.75,56.05) ; v1(30.35,46.25) 30.38,46.22 34.88,46.22 R173.2
  Bottom w0.15: v1(30.35,46.25) 29,47.6 29,55.4 28.75,55.65 v1(28.75,56.05)
ETH_LD1: length 16.6
  Top w0.15: D28.2 26.67,52.1 26.67,47.84 30.12,44.4 32.9,44.4 R174.2
ETH_LD2: length 20.7
  Top w0.15: D33.1 28.96,59.34 29.76,59.34 v1(30.35,58.75) ; R175.2 36.25,46.2 v1(36.25,46.25)